# Altium PCB CATS-Vega.PcbDoc (part 2 of 2)
Units mm, origin at the board's own origin, x right, y up, seen from the top; angles counter-clockwise.
Board outline 100 x 33 mm, 6 copper layers (Top Layer, Mid Layer 1 (GND), Mid Layer 2 (Sig), Mid Layer 3 (PWR), Mid Layer 4 (GND), Bottom Layer), stack 1.538 mm thick; 177 components, 115 nets, 630 pads, 374 vias.
Unrouted connection lines stored in the file: 41.
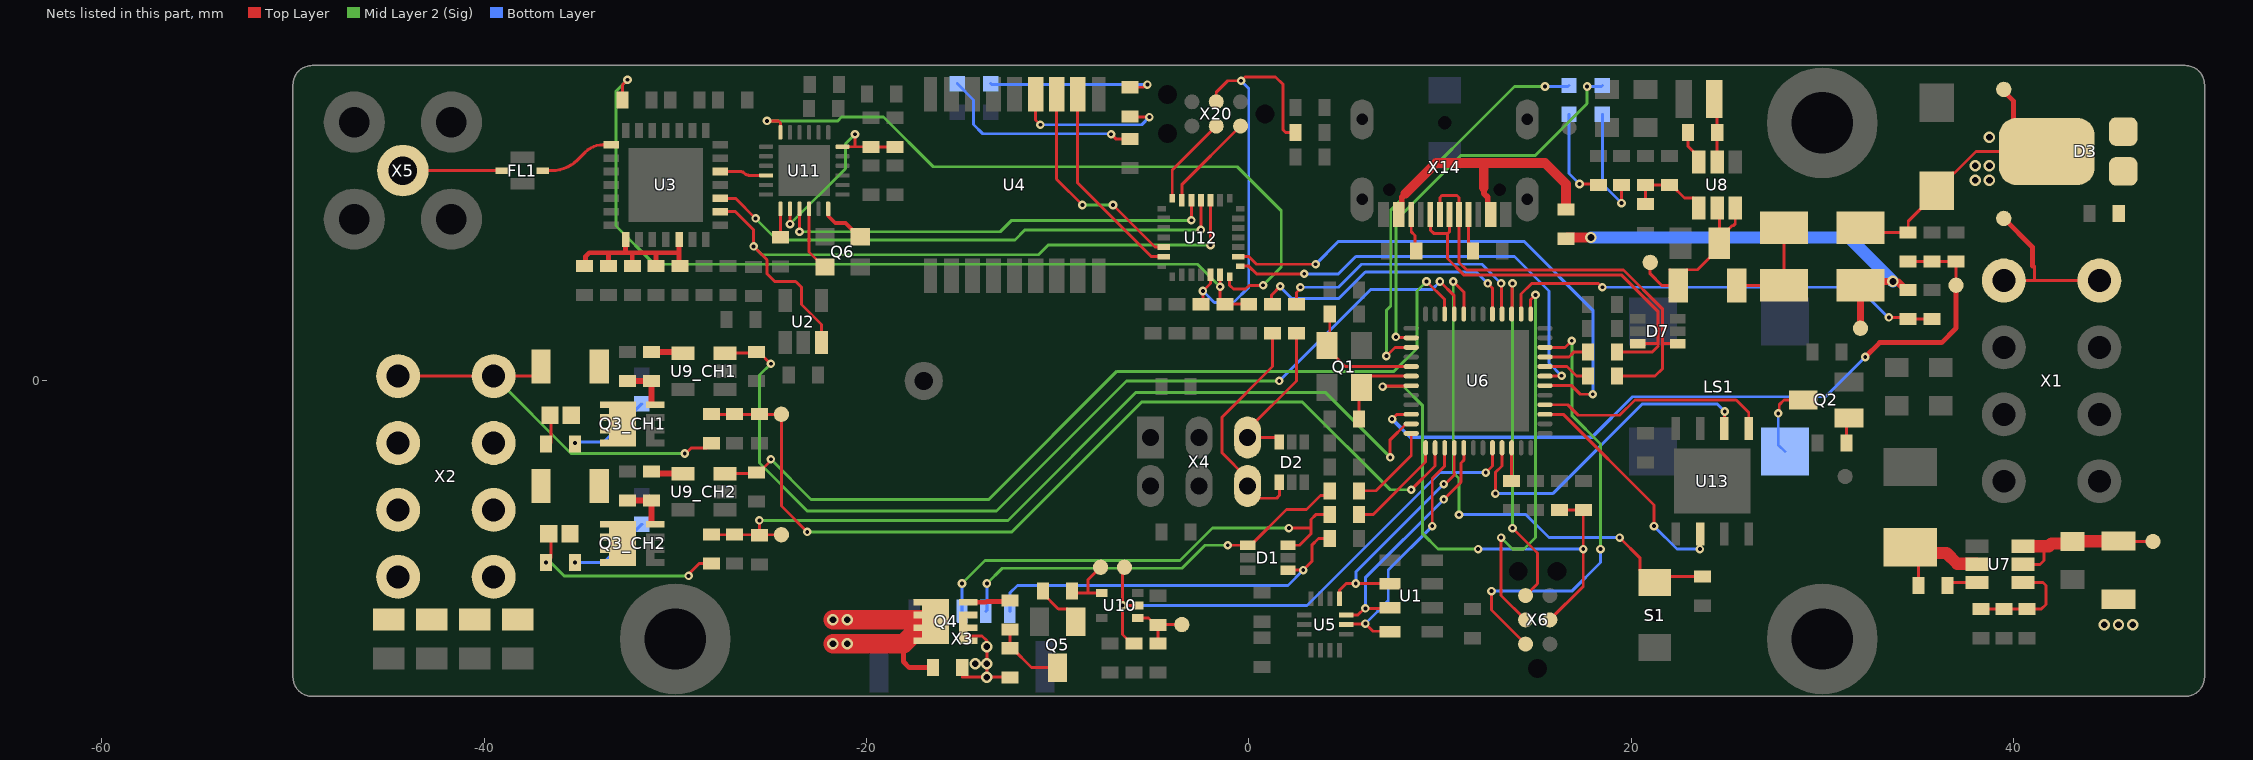
[diagram p6: the nets of this part, all layers, seen from the top]

## Via types
v1: diameter 0.45, hole 0.2, Top Layer to Bottom Layer, tented both sides, 333 vias
v2: diameter 0.6, hole 0.35, Top Layer to Bottom Layer, tented both sides, 41 vias

## Nets (pads, with @x,y where several pads share a name; then routed paths per layer and width w, separated by ;. In a path a pad name is that pad's centre, name@x,y a point inside that pad or via, vN(x,y) a via of type N, cw(c..) or ccw(c..) an arc to the next point about the centre after c; other vN are vias at no path point) (continued)
NetC7_2: C7.2 C8.2 C9.2 C10.2 FB1.1 U3.22 U3.26 | length 9.8
  Top Layer w0.254: FB1.1@-34.75,6.012 -34.7,6.062 -34.7,6.5 -34.5,6.7 -33.55,6.7 ; C10.2@-33.5,6.012 -33.5,6.65 -33.55,6.7 ; U3.22@-32.6,7.45 -32.6,6.7 ; C7.2@-32.25,6.012 -32.25,6.65 -32.3,6.7 ; C8.2@-31,6.012 -31,6.65 -31.05,6.7 ; U3.26@-29.8,7.45 -29.8,6.7 ; C9.2@-29.75,6.012 -29.8,6.062 -29.8,6.7 ; -33.55,6.7 -32.6,6.7 ; -32.6,6.7 -32.3,6.7 ; -32.3,6.7 -31.05,6.7 ; -31.05,6.7 -29.8,6.7
NetC25_2: C25.2 Q1.1 U6.5 | length 6.7
  Top Layer w0.152: C25.2@4.238,3.5 4.238,1.838 4.1,1.7 5.05,0.75 U6.5@8.5,0.75
NetC26_2: C26.2 Q1.2 U6.6 | length 4.6
  Top Layer w0.152: C26.2@5.762,-2 5.762,-0.488 Q1.2@5.9,-0.35 5.9,-0.224 6.374,0.25 U6.6@8.5,0.25
NetC28_2: C28.2 U6.22 | length 1.7
  Top Layer w0.152: C28.2@13.75,-5.238 U6.22@13.75,-3.5
NetC30_2: C30.2 D3.A X1.4 X7.1 | length 9.1
  Top Layer w0.152: X7.1@39.25,8.5 X7.1@39.5,8.5 ; X1.4@39.5,5.25 41.05,5.25 ; 41.1,6 41.1,5.3 41.05,5.25 ; X1.4@44.5,5.25 41.05,5.25
  Top Layer w0.254: X7.1@39.5,8.5 41,7 41,6
NetC31_1: C31.1 U7.6 | length 1.6
  Top Layer w0.152: C31.1@36.562,-10.7 36.712,-10.55 U7.6@38.1,-10.55
NetC31_2: C31.2 L1.1 U7.5 | length 5.8
  Top Layer w0.152: L1.1@34.6,-8.7 34.9,-9 35.038,-9.138 C31.2@35.038,-10.7 ; U7.5@37.95,-9.75 U7.5@38.1,-9.6
  Top Layer w0.635: L1.1@34.9,-9 36.5,-9 37.068,-9.567 38.067,-9.567 U7.5@38.1,-9.6
NetC32_1: C32.1 R17.1 R19.2 U7.1 | length 5.8
  Top Layer w0.152: R17.1@38.3,-11.938 C32.1@39.5,-11.938 R19.2@40.7,-11.938 41.462,-11.938 41.7,-11.7 41.7,-10.7 41.55,-10.55 U7.1@40.5,-10.55
NetC33_2: C33.2 F1.1 U7.2 U7.3 X9.1 | length 8.9
  Top Layer w0.152: U7.2@40.5,-9.6 41.4,-9.6 41.6,-9.4 41.6,-8.7 41.65,-8.65 ; F1.1@45.5,-8.376 45.524,-8.4 X9.1@47.3,-8.4
  Top Layer w0.635: U7.3@40.5,-8.65 41.65,-8.65 41.85,-8.65 42,-8.5 43,-8.5 C33.2@43.1,-8.4 43.112,-8.388 45.488,-8.388 F1.1@45.5,-8.376
NetC37_1: C37.1 U8.6 | length 1.8
  Top Layer w0.152: C37.1@22.988,13 22.988,12.262 23.55,11.7 U8.6@23.55,11.45
NetC37_2: C37.2 L2.1 U8.5 | length 3.4
  Top Layer w0.152: L2.1@24.35,14.75 24.5,14.6 U8.5@24.5,11.45
NetC38_1: C38.1 R20.1 R21.2 U8.1 | length 4.4
  Top Layer w0.152: R21.2@20.75,9.262 C38.1@20.75,10.238 R20.1@22,10.238 22.127,10.238 22.791,9.574 23.276,9.574 23.55,9.3 U8.1@23.55,9.05
NetC39_2: C39.2 F2.1 U8.2 U8.3 X12.1 | length 10.4
  Top Layer w0.152: X12.1@21.115,6.2 X12.1@21,6.2 21,5.6 21.6,5 F2.1@22.476,5 F2.1@22.476,5.381 ; F2.1@22.044,5.813 F2.1@22.476,5.381 ; U8.2@24.5,9.05 24.616,8.934 C39.2@24.616,7.454 ; U8.3@25.45,9.05 25.45,8.221 25.342,8.114 25.276,8.114 C39.2@24.616,7.454 ; F2.1@22.476,5.381 22.908,5.813 23.483,5.813 24.616,6.946 C39.2@24.616,7.2 C39.2@24.616,7.454
NetC46_2: C46.2 R37.1 U10.1 X19.1 | length 3.4
  Top Layer w0.152: U10.1@-5.8,-12.4 -5.239,-12.4 -4.75,-12.889 R37.1@-4.75,-13.738 ; C46.2@-4.75,-12.762 -4.738,-12.75 X19.1@-3.5,-12.75
NetC49_2: C49.2 C50.2 U11.2 U11.12 | length 10.3
  Top Layer w0.152: v1(-24,8.2) U11.2@-24,9 ; U11.12@-21.25,12.25 -19.762,12.25 C49.2@-19.75,12.238 C50.2@-18.5,12.238 ; -20.6,12.3 v1(-20.6,12.9)
  Mid Layer 2 (Sig) w0.152: v1(-24,8.2) -21.1,11.1 -21.1,12.4 v1(-20.6,12.9)
NetC51_2: C51.2 U11.1 | length 1.5
  Top Layer w0.152: C51.2@-24.5,7.512 U11.1@-24.5,9
NetC54_2: C54.2 R41.1 U12.5 X20.3 | length 23.3
  Top Layer w0.152: R41.1@-2.5,4.012 -2.4,4.112 v1(-2.4,4.7) -2,5.1 U12.5@-2,5.55 U12.5@-2,5.6 ; X20.3@-1.7,14.6 -1.7,15.1 -1.1,15.7 v1(-0.4,15.7) -0.201,15.899 1.401,15.899 1.8,15.5 1.8,13.119 1.919,13 C54.2@2.438,13
  Bottom Layer w0.152: v1(-2.4,4.7) -1.8,4.1 -0.8,4.1 0,4.9 0,15.3 v1(-0.4,15.7)
NetD1_1: D1.1 R1.2 X3.1 | length 20.2
  Top Layer w0.152: D1.1@2.05,-9.9 v1(2.85,-9.9) 3.3,-9.45 3.3,-8.6 3.65,-8.25 R1.2@4.238,-8.25
  Bottom Layer w0.152: X3.1@-12.5,-12.05 -12.5,-11.1 -12.1,-10.7 2.05,-10.7 v1(2.85,-9.9)
NetD1_3: D1.3 R3.2 X3.3 | length 24.2
  Top Layer w0.152: D1.3@2.05,-8.6 2.65,-8.6 3.25,-8 3.25,-7.625 ; v1(2.1,-7.7) 3.175,-7.7 3.25,-7.625 ; R3.2@4.238,-7 3.5,-7 3.25,-7.25 3.25,-7.625
  Mid Layer 2 (Sig) w0.152: v1(-15,-10.6) -13.8,-9.4 -3.6,-9.4 -1.9,-7.7 v1(2.1,-7.7)
  Bottom Layer w0.152: X3.3@-15,-12.05 v1(-15,-10.6)
NetD1_4: D1.4 R2.2 X3.2 | length 21.4
  Top Layer w0.152: v1(-1.1,-8.6) D1.4@-0.05,-8.6 0.1,-8.6 1.975,-6.725 3.025,-6.725 3.75,-6 3.997,-6 4.238,-5.759 R2.2@4.238,-5.75
  Mid Layer 2 (Sig) w0.152: v1(-13.7,-10.6) -12.9,-9.8 -3.49,-9.8 -2.29,-8.6 v1(-1.1,-8.6)
  Bottom Layer w0.152: X3.2@-13.75,-12.05 -13.7,-12 v1(-13.7,-10.6)
NetD2_3: D2.3 R4.2 X4.5 | length 8.3
  Top Layer w0.152: D2.3@1.6,-3.2 1.6,-3.134 1.426,-2.96 X4.5@-0.06,-2.96 -0.06,-2.56 2.5,0 R4.2@2.5,2.488
NetD2_4: D2.4 R5.2 X4.6 | length 12.4
  Top Layer w0.152: R5.2@1.25,2.488 1.25,0.75 -1.4,-1.9 -1.4,-3.76 -0.06,-5.1 X4.6@-0.06,-5.5 -0.06,-5.562 0.516,-6.139 1.461,-6.139 1.6,-6 D2.4@1.6,-5.3
NetD5_K: D5.K D6.K F2.2 | length 5.5
  Top Layer w0.152: F2.2@25.524,5 D5.K@28,5 D6.K@28,8
NetD7_3: D7.3 R22.1 X14.A6 X14.B6 | length 21.6
  Top Layer w0.152: X14.B6@9.5,8.825 X14.B6@9.5,8.7 9.5,7.9 9.7,7.7 10.4,7.7 ; X14.A6@10.5,8.75 X14.A6@10.5,8.7 10.5,7.8 10.4,7.7 ; R22.1@19.262,1.5 21.1,1.5 21.4,1.8 21.4,1.95 ; D7.3@20.35,1.95 21.4,1.95 ; 10.4,7.7 10.4,6.4 11.272,5.528 19.513,5.528 21.4,3.641 21.4,1.95
NetD7_4: D7.4 R23.1 X14.A7 X14.B7 | length 23.4
  Top Layer w0.152: X14.A7@10,8.825 10,9.6 10.1,9.7 10.9,9.7 11,9.6 X14.B7@11,8.7 11,6.2 11.4,5.8 19.6,5.8 21.654,3.746 21.654,0.654 21.25,0.25 R23.1@19.262,0.25 ; 21.675,1.95 D7.4@22.45,1.95
NetF3_CH1_2: F3_CH1.2 JP1_CH1.2 Q3_CH1.D
NetF3_CH2_2: F3_CH2.2 JP1_CH2.2 Q3_CH2.D
NetFB2_2: FB2.2 X14.A4B9 X14.B4A9 | length 14.7
  Top Layer w0.305: X14.B4A9@7.85,8.825 8,8.975 8,9.606 8.2,9.806 ; 12.3,10.1 12.3,9.806 12.502,9.604 12.502,8.973 X14.A4B9@12.65,8.825
  Top Layer w0.508: 8.2,9.806 9.794,11.4 12.3,11.4 ; 12.3,10.1 12.3,11.4 ; FB2.2@16.6,8.962 16.6,10.3 15.5,11.4 12.3,11.4
NetFL1_1: FL1.1 U3.15 | length 4.1
  Top Layer w0.162: FL1.1@-36.975,11 -36.453,11 ccw(c-36.453,12.878) -35.125,11.55 -34.716,11.959 cw(c-33.772,11.016) -33.772,12.35 U3.15@-33.3,12.35
NetFL1_3: FL1.3 X5.1 | length 5.2
  Top Layer w0.162: X5.1@-44.25,11 FL1.3@-39.025,11
NetLS1_2: LS1.2 Q2.C | length 4
  Top Layer w0.152: v1(27.7,-1.7) 27.754,-1.646 27.754,-1.246 28,-1 Q2.C@28.999,-1
  Bottom Layer w0.152: v1(27.7,-1.7) 27.7,-3.35 LS1.2@28.05,-3.7
NetP1_A: P1.A R10.1 | length 9.2
  Top Layer w0.152: R10.1@-6.2,15.362 -5.519,15.362 -5.381,15.5 v1(-5.3,15.5)
  Bottom Layer w0.152: P1.A@-13.5,15.55 -13.45,15.5 v1(-5.3,15.5)
NetP2_A: P2.A R11.1 | length 4.9
  Top Layer w0.152: v1(17.3,10.3) 18.238,10.3 R11.1@18.3,10.238
  Bottom Layer w0.152: P2.A@16.75,13.95 16.75,10.85 v1(17.3,10.3)
NetP2_K: P2.K U6.3 | length 21.2
  Top Layer w0.152: v1(7.2,1.3) 7.65,1.75 U6.3@8.5,1.75
  Mid Layer 2 (Sig) w0.152: v1(7.2,1.3) 7.2,3.694 7.428,3.923 7.428,8.928 13.9,15.4 v1(15.5,15.4)
  Bottom Layer w0.152: v1(15.5,15.4) 16.7,15.4 P2.K@16.75,15.45
NetP3_A: P3.A R12.1 | length 6
  Top Layer w0.152: v1(19.5,9.3) R12.1@19.5,10.238
  Bottom Layer w0.152: P3.A@18.5,13.95 18.5,10.3 v1(19.5,9.3)
NetP3_K: P3.K U6.2 | length 21.2
  Top Layer w0.152: v1(7.7,2.3) 7.731,2.269 8.481,2.269 U6.2@8.5,2.25
  Mid Layer 2 (Sig) w0.152: v1(7.7,2.3) 7.7,8.4 11.1,11.8 15,11.8 17.7,14.5 v1(17.7,15.4)
  Bottom Layer w0.152: v1(17.7,15.4) 18.45,15.4 P3.K@18.5,15.45
NetP4_CH1_A: P4_CH1.A R28_CH1.1 | length 4.2
  Top Layer w0.152: R28_CH1.1@-35.25,-3.312 R28_CH1.1@-35.238,-3.3 -35.238,-3.262 v1(-35.25,-3.25)
  Bottom Layer w0.152: -35,-3.2 -33.75,-3.2 P4_CH1.A@-31.75,-1.2
NetP4_CH2_A: P4_CH2.A R28_CH2.1 | length 4.3
  Top Layer w0.152: v1(-35.238,-9.5) -35.012,-9.5 R28_CH2.1@-35,-9.488
  Bottom Layer w0.152: -34.988,-9.5 -33.75,-9.5 P4_CH2.A@-31.75,-7.5
NetP5_A: P5.A R40.1 | length 11
  Top Layer w0.152: v1(-7.2,12.9) -6.962,12.662 R40.1@-6.2,12.662
  Bottom Layer w0.152: P5.A@-15.25,15.55 -14.4,14.7 -14.4,13.411 -13.917,12.928 -7.228,12.928 v1(-7.2,12.9)
NetQ2_B: Q2.B R15.1 | length 1.4
  Top Layer w0.152: R15.1@31.274,-3.25 31.274,-2.075 Q2.B@31.399,-1.95
NetQ3_CH1_G: Q3_CH1.G R30_CH1.1 R31_CH1.2 | length 2.6
  Top Layer w0.203: Q3_CH1.G@-31.25,-1.171 -31.177,-1.245 Q3_CH1.G@-31.125,-1.245
  Top Layer w0.305: R31_CH1.2@-32.5,-0.012 R30_CH1.1@-31.25,-0.012 Q3_CH1.G@-31.25,-1.171
NetQ3_CH2_G: Q3_CH2.G R30_CH2.1 R31_CH2.2 | length 2.6
  Top Layer w0.203: Q3_CH2.G@-31.25,-7.421 -31.177,-7.495 Q3_CH2.G@-31.125,-7.495
  Top Layer w0.305: R31_CH2.2@-32.5,-6.262 R30_CH2.1@-31.25,-6.262 Q3_CH2.G@-31.25,-7.421
NetQ4_G: Q4.G R36.2 | length 2.3
  Top Layer w0.152: R36.2@-12.627,-11.488 R36.2@-12.5,-11.488
  Top Layer w0.254: Q4.G@-14.75,-11.58 -13.734,-11.58 -13.688,-11.534 -12.673,-11.534 R36.2@-12.627,-11.488
NetQ5_B: Q5.B R38.1 | length 2.6
  Top Layer w0.152: R38.1@-10.762,-11 -10.762,-11.127 -9.962,-11.927 -9.474,-11.927 -9.05,-12.351 Q5.B@-9.05,-12.601
NetQ5_C: Q5.C R35.1 R36.1 | length 3.9
  Top Layer w0.152: R36.1@-12.5,-13.012 R35.1@-12.5,-13.988 -12.373,-13.988 -11.36,-15.001 Q5.C@-10,-15.001
NetQ6_1: Q6.1 U11.4 | length 3.4
  Top Layer w0.152: U11.4@-23,9 -23,6.737 -22.225,5.963 Q6.1@-22.175,5.963
NetQ6_2: Q6.2 U11.6 | length 2.5
  Top Layer w0.152: Q6.2@-20.619,7.781 -20.375,7.538 Q6.2@-20.325,7.538
  Top Layer w0.203: U11.6@-22,9 -21.997,8.997 -21.997,8.619 -21.63,8.252 -21.09,8.252 Q6.2@-20.619,7.781
NetR10_2: R10.2 U4.4 | length 8.6
  Top Layer w0.152: U4.4@-11.15,15 -11.15,13.65 v1(-10.9,13.4) ; R10.2@-6.2,13.838 -6.162,13.8 v1(-5.2,13.8)
  Bottom Layer w0.152: v1(-10.9,13.4) -5.6,13.4 v1(-5.2,13.8)
NetR14_2: R14.2 S1.2 U6.44 | length 29
  Top Layer w0.152: v1(10.7,5.2) 11.25,4.65 U6.44@11.25,3.5 ; v1(19.4,-8.2) 20.476,-9.276 20.476,-9.926 21.1,-10.55 S1.2@21.25,-10.55 21.562,-10.238 R14.2@23.75,-10.238
  Mid Layer 2 (Sig) w0.152: v1(10.7,5.2) 10.7,-4.8 11,-5.1 v1(11,-7)
  Bottom Layer w0.152: v1(11,-7) 14.5,-7 15.7,-8.2 v1(19.4,-8.2)
NetR25_2: R25.2 X14.B5 | length 1.9
  Top Layer w0.152: X14.B5@8.5,8.825 8.5,7.8 8.7,7.6 8.7,7.062 R25.2@8.762,7
NetR26_2: R26.2 X14.A5 | length 1.9
  Top Layer w0.152: X14.A5@11.5,8.825 11.5,7.238 R26.2@11.738,7
NetR30_CH1_2: R30_CH1.2 U9_CH1.4 | length 1.7
  Top Layer w0.152: U9_CH1.4@-29.662,1.512 U9_CH1.4@-29.6,1.45
  Top Layer w0.305: R30_CH1.2@-31.25,1.512 U9_CH1.4@-29.662,1.512
NetR30_CH2_2: R30_CH2.2 U9_CH2.4 | length 1.7
  Top Layer w0.152: R30_CH2.2@-31.25,-4.738 R30_CH2.2@-31.138,-4.85
  Top Layer w0.305: R30_CH2.2@-31.138,-4.85 U9_CH2.4@-29.6,-4.85
NetR38_2: R38.2 U10.4 X18.1 | length 3.2
  Top Layer w0.152: R38.2@-9.238,-11 -9.138,-11.1 -8.419,-11.1 ; X18.1@-7.75,-9.75 -8.419,-10.419 -8.419,-11.1 ; U10.4@-7.7,-11.1 -8.419,-11.1
NetU3_5: U3.5 U11.22 | length 2.5
  Top Layer w0.162: U3.5@-27.7,10.95 -26.581,10.95 cw(c-26.581,10.694) -26.4,10.875 ccw(c-26.098,11.177) -26.098,10.75 U11.22@-25.25,10.75
NetU12_20: U12.20 X20.2 | length 5.2
  Top Layer w0.152: U12.20@-3.5,9.4 -3.5,10.26 X20.2@-0.43,13.33
NetU12_21: U12.21 X20.4 | length 4.8
  Top Layer w0.152: U12.21@-4,9.5 -4,11.03 X20.4@-1.7,13.33
NRST: U11.3 U12.19 | length 22.9
  Top Layer w0.152: v1(-23.5,7.8) U11.3@-23.5,9 ; v1(-3,8.4) U12.19@-3,9.4
  Mid Layer 2 (Sig) w0.152: v1(-23.5,7.8) -13,7.8 -12.4,8.4 v1(-3,8.4)
PH1: C42_CH1.2 C42_CH2.2 C43_CH1.2 C43_CH2.2 Q4.D R34.1 X2.2 X2.4 | length 13.7
  Top Layer w0.254: -18.06,-13.75 -18.06,-14.69 -17.75,-15 R34.1@-16.512,-15
  Top Layer w1.016: v2(-21.75,-13.75) v2(-21,-13.75) -18.06,-13.75 Q4.D@-16.975,-12.665 ; v2(-21.75,-12.5) v2(-21,-12.5) -16.517,-12.5 -16.25,-12.767 Q4.D@-16.25,-13
PL1: F3_CH1.1 JP1_CH1.1 R28_CH1.2 R29_CH1.2 X2.1 | length 22
  Top Layer w0.152: X2.1@-44.5,0.25 X2.1@-39.5,0.25 F3_CH1.1@-37.38,0.25 ; R28_CH1.2@-36.512,-3.25 -36.512,-1.953 JP1_CH1.1@-36.309,-1.75 ; v1(-29.5,-3.8) -29.452,-3.8 -29.155,-3.503 -28.341,-3.503 R29_CH1.2@-28.1,-3.262
  Mid Layer 2 (Sig) w0.152: X2.1@-39.5,0.25 -35.45,-3.8 v1(-29.5,-3.8)
PL2: F3_CH2.1 JP1_CH2.1 R28_CH2.2 R29_CH2.2 X2.3 | length 11.4
  Top Layer w0.152: R28_CH2.2@-36.5,-9.262 JP1_CH2.1@-36.5,-8.441 ; v1(-29.3,-10.2) -29.243,-10.143 -29.243,-10.043 -28.762,-9.562 R29_CH2.2@-28.1,-9.562
  Mid Layer 2 (Sig) w0.152: X2.3@-39.5,-6.05 -39.5,-6.169 X2.3@-38.508,-7.161 ; -36.512,-9.5 -35.812,-10.2 v1(-29.3,-10.2)
  other v1: -36.762,-9.5
PYRO1: R32_CH1.2 U6.45 U9_CH1.3 | length 51.7
  Top Layer w0.152: U9_CH1.3@-27.4,1.45 -25.812,1.45 R32_CH1.2@-25.75,1.512 -25.623,1.512 -25.011,0.9 v1(-25,0.9) ; v1(10,5.2) 10.75,4.45 U6.45@10.75,3.5
  Mid Layer 2 (Sig) w0.152: v1(-25,0.9) -25.6,0.3 -25.6,-4.3 -23.1,-6.8 -13.2,-6.8 -6.4,0 v1(1.6,0)
  Bottom Layer w0.152: v1(1.6,0) 6.372,4.772 9.572,4.772 v1(10,5.2)
PYRO2: R32_CH2.2 U6.46 U9_CH2.3 | length 46.5
  Top Layer w0.152: U9_CH2.3@-27.4,-4.85 -25.812,-4.85 R32_CH2.2@-25.75,-4.788 -25.623,-4.788 -25,-4.165 v1(-25,-4.1) ; v1(9.3,5.2) 10.25,4.25 U6.46@10.25,3.5
  Mid Layer 2 (Sig) w0.152: v1(-25,-4.1) -22.9,-6.2 -13.6,-6.2 -6.9,0.5 7.6,0.5 8.8,1.7 8.8,4.7 v1(9.3,5.2)
PYRO_EN: R39.2 U6.20 U10.2 X17.1 | length 28.5
  Top Layer w0.152: X17.1@-6.5,-9.75 -6.6,-9.85 v1(-6.6,-11.75) ; R39.2@-6,-13.738 -6.127,-13.738 -6.6,-13.265 v1(-6.6,-11.75) ; U10.2@-5.8,-11.75 v1(-6.6,-11.75) ; v1(12.4,-4.8) 12.75,-4.45 U6.20@12.75,-3.5
  Bottom Layer w0.152: v1@-6.6,-11.8 v1(-6.6,-11.75) 3.05,-11.75 10,-4.8 v1(12.4,-4.8)
RST: C27.2 R13.1 U6.7 X6.3 | length 27.2
  Top Layer w0.152: v1(7,-0.3) 7.031,-0.269 8.481,-0.269 U6.7@8.5,-0.25 ; X6.3@15.75,-12.5 17.5,-10.75 v1(17.5,-8.8) C27.2@17.5,-6.762 R13.1@16.25,-6.762
  Mid Layer 2 (Sig) w0.152: v1(7,-0.3) 8.1,-0.3 9.1,-1.3 9.1,-8 9.9,-8.8 v1(12,-8.8)
  Bottom Layer w0.152: v1(12,-8.8) v1(17.5,-8.8)
RX1: U4.2 U12.27 | length 10.8
  Top Layer w0.152: U4.2@-8.95,15 -8.95,10.35 -5.1,6.5 U12.27@-4.4,6.5
RX2: U6.30 U12.9 | length 27.8
  Top Layer w0.152: U12.9@-0.6,6.5 0,6.5 0.4,6.1 v1(3.5,6.1) ; U6.30@15.5,-0.25 16.895,-0.25 17.345,-0.7 v1(18,-0.7)
  Bottom Layer w0.152: v1(3.5,6.1) 4.7,7.3 14.4,7.3 18,3.7 v1(18,-0.7)
RX_EN: U3.3 U12.18 | length 27.8
  Top Layer w0.152: U3.3@-27.7,9.55 -26.85,9.55 v1(-25.8,8.5) ; v1(-2.503,7.903) -2.501,7.904 -2.501,9.399 U12.18@-2.5,9.4
  Mid Layer 2 (Sig) w0.152: v1(-25.8,8.5) -24.672,7.372 -12.228,7.372 -11.697,7.903 v1(-2.503,7.903)
SCK1: U11.18 U12.7 | length 37
  Top Layer w0.152: v1(-25.2,13.6) -24.6,13.6 -24.5,13.5 U11.18@-24.5,13 ; U12.7@-1,5.5 -1,5 -0.8,4.8 -0.165,4.8 0.035,5 v1(0.75,5)
  Mid Layer 2 (Sig) w0.152: v1(-25.2,13.6) -21.5,13.6 -21.3,13.8 -19.1,13.8 -16.5,11.2 -0.6,11.2 1.7,8.9 1.7,5.95 v1(0.75,5)
SERVO1: R4.1 U6.40 | length 14
  Top Layer w0.152: R4.1@2.5,4.012 2.5,4.619 2.7,4.819 v1(2.7,4.9) ; v1(13.2,5.1) 13.231,5.069 13.231,3.519 U6.40@13.25,3.5
  Bottom Layer w0.152: v1(2.7,4.9) 4.7,4.9 5.9,6.1 12.2,6.1 v1(13.2,5.1)
SERVO2: R5.1 U6.41 | length 14.7
  Top Layer w0.152: R5.1@1.2,4.062 1.2,4.5 v1(1.65,4.95) ; v1(12.5,5.1) 12.75,4.85 U6.41@12.75,3.5
  Bottom Layer w0.152: v1@1.7,4.9 1.7,4.865 2.265,4.3 4.7,4.3 6.1,5.7 11.9,5.7 v1(12.5,5.1)
SPI1_MISO: U1.6 U5.1 U6.16 | length 12.6
  Top Layer w0.152: U5.1@4.75,-11.488 4.75,-10.95 5.1,-10.6 v1(5.6,-10.6) 7.375,-10.6 U1.6@7.4,-10.625 ; v1(10.2,-5.4) 10.281,-5.4 10.75,-4.931 U6.16@10.75,-3.5
  Bottom Layer w0.152: v1(5.6,-10.6) 5.6,-10 v1(10.2,-5.4)
SPI1_MOSI: U1.7 U5.14 U6.17 | length 13.1
  Top Layer w0.152: U5.14@5.004,-12.25 5.701,-12.25 6.051,-11.9 7.375,-11.9 U1.7@7.4,-11.875 ; v1(10.2,-6.2) 11.1,-5.3 11.1,-4.3 11.25,-4.15 U6.17@11.25,-3.5
  Bottom Layer w0.152: v1(6.1,-11.9) 6.1,-10.3 v1(10.2,-6.2)
SPI1_SCK: U1.8 U5.13 U6.15 | length 13.5
  Top Layer w0.152: U5.13@5.004,-12.75 5.029,-12.725 6.075,-12.725 v1(6.1,-12.7) 6.5,-13.1 7.375,-13.1 U1.8@7.4,-13.125 ; v1(9.6,-7.6) 9.6,-5.1 10.25,-4.45 U6.15@10.25,-3.5
  Bottom Layer w0.152: v1(6.1,-12.7) 6.106,-12.7 7.3,-11.506 7.3,-9.9 v1(9.6,-7.6)
SPI2_MISO: U6.27 U13.2 | length 12.6
  Top Layer w0.152: U6.27@15.5,-1.75 16.456,-1.75 21.2,-6.494 v1(21.2,-7.6) ; v1(23.6,-8.8) 23.607,-8.793 23.607,-7.858 U13.2@23.615,-7.85
  Bottom Layer w0.152: v1(21.2,-7.6) 22.4,-8.8 v1(23.6,-8.8)
SPI2_MOSI: U6.28 U13.5 | length 12.5
  Top Layer w0.152: U6.28@15.5,-1.25 16.685,-1.25 17.235,-1.8 19.4,-1.8 20.2,-1 25.5,-1 26.155,-1.655 U13.5@26.155,-2.65
SPI2_SCK: U6.21 U13.6 | length 17.7
  Top Layer w0.152: v1(12.9,-5.9) 12.9,-4.8 13.25,-4.45 U6.21@13.25,-3.5 ; U13.6@24.885,-2.65 24.893,-2.642 24.893,-1.607 v1(24.9,-1.6)
  Bottom Layer w0.152: v1(12.9,-5.9) 15.9,-5.9 20.6,-1.2 24.5,-1.2 v1(24.9,-1.6)
SWCLK: U6.37 X6.4 | length 20.9
  Top Layer w0.152: v1(13.2,-8.2) 13.2,-11.22 X6.4@14.48,-12.5 ; U6.37@14.75,3.5 14.75,4.25 v1(15,4.5)
  Mid Layer 2 (Sig) w0.152: v1(13.2,-8.2) 13.8,-8.8 14.4,-8.8 15,-8.2 v1(15,4.5)
SWDIO: U6.34 X6.2 | length 23.6
  Top Layer w0.152: v1(12.7,-11) 12.7,-11.99 X6.2@14.48,-13.77 ; U6.34@15.5,1.75 16.55,1.75 v1(16.9,2.1)
  Mid Layer 2 (Sig) w0.152: v1(16.9,2.1) 16.9,-1.8 18.4,-3.3 v1(18.4,-8.8)
  Bottom Layer w0.152: v1(12.7,-11) 16.9,-11 18.4,-9.5 v1(18.4,-8.8)
SWO: U6.39 X6.6 | length 18.7
  Top Layer w0.152: U6.39@13.75,3.5 13.769,3.519 13.769,5.069 v1(13.8,5.1) ; v1(13.8,-7.7) 15.1,-9 15.1,-10.61 X6.6@14.48,-11.23
  Mid Layer 2 (Sig) w0.152: v1(13.8,-7.7) v1(13.8,5.1)
TEMP: C6.2 R6.1 R8.1 U12.6 | length 44.9
  Top Layer w0.152: R8.1@-32.762,14.7 -32.762,15.488 v1(-32.5,15.75) ; U12.6@-1.5,5.6 U12.6@-1.5,5.55 v1(-1.5,4.927) -1.5,4.253 -1.259,4.012 C6.2@-1.25,4.012 R6.1@0,4.012
  Mid Layer 2 (Sig) w0.152: v1(-32.5,15.75) -33.1,15.15 -33.1,8.1 -31.1,6.1 -2.673,6.1 v1(-1.5,4.927)
TX1: U4.3 U12.26 | length 11.6
  Top Layer w0.152: U4.3@-10.05,15 -10.05,10.55 v1(-8.7,9.2) ; v1(-7.1,9.2) -4.904,7.004 -4.404,7.004 U12.26@-4.4,7
  Mid Layer 2 (Sig) w0.152: v1(-8.7,9.2) v1(-7.1,9.2)
TX2: U6.31 U12.8 | length 23.1
  Top Layer w0.152: U12.8@-0.5,6 0,6 0.4,5.6 v1(2.9,5.6) ; U6.31@15.5,0.25 15.509,0.259 16.359,0.259 v1(16.369,0.269)
  Bottom Layer w0.152: v1(2.9,5.6) 4.7,5.6 5.6,6.5 13.9,6.5 15.7,4.7 15.7,0.937 v1(16.369,0.269)
TX_EN: U2.3 U3.2 U12.17 | length 36.8
  Top Layer w0.152: U3.2@-27.7,8.85 -26.85,8.85 -25.9,7.9 v1(-25.9,7.033) -25.2,6.333 -25.2,5.6 -24.8,5.2 -23.7,5.2 -23.4,4.9 -23.4,4 -22.35,2.95 U2.3@-22.35,2 ; v1(-2,7.1) U12.17@-2,9.4
  Mid Layer 2 (Sig) w0.152: v1(-25.9,7.033) -25.467,6.6 -11,6.6 -10.5,7.1 v1(-2,7.1)
UART2_RX: R3.1 U6.13 | length 5.4
  Top Layer w0.152: R3.1@5.762,-7 6.5,-7 9.25,-4.25 U6.13@9.25,-3.5
UART2_TX: R2.1 U6.12 | length 4.7
  Top Layer w0.152: R2.1@5.762,-5.75 6.65,-5.75 8.5,-3.9 U6.12@8.5,-2.75
USB_DET: R24.2 R27.1 U6.38 | length 23.5
  Top Layer w0.152: U6.38@14.25,3.5 14.25,4.55 14.8,5.1 18.3,5.1 v1(18.5,4.9) ; v1(33.489,3.321) 34.417,3.321 R24.2@34.5,3.238 R27.1@35.75,3.238
  Bottom Layer w0.152: v1(18.5,4.9) 31.87,4.9 33.449,3.321 v1(33.489,3.321)
USB_N: R23.2 U6.32 | length 2.4
  Top Layer w0.152: U6.32@15.5,0.75 16.65,0.75 17.15,0.25 R23.2@17.738,0.25
USB_P: R22.2 U6.33 | length 2.3
  Top Layer w0.152: U6.33@15.5,1.25 16.75,1.25 17,1.5 R22.2@17.738,1.5
V_BAT: C36.2 R16.1 R18.2 U6.10 X11.1 | length 39.3
  Top Layer w0.152: v1(7.5,-2) 7.75,-1.75 U6.10@8.5,-1.75 ; R16.1@34.5,6.238 C36.2@35.75,6.238 R18.2@37,6.238 X11.1@37,5
  Top Layer w0.254: v1(32.25,1.25) 33,2 36.25,2 37,2.75 X11.1@37,5
  Bottom Layer w0.152: 18.946,-1.954 20.072,-0.828 30.172,-0.828 v1(32.25,1.25)
  Bottom Layer w0.203: v1(7.5,-2) 8.45,-2.95 17.95,-2.95 18.946,-1.954
V_PYRO1: C44_CH1.2 R29_CH1.1 R33_CH1.2 U6.14 X16_CH1.1 | length 49.4
  Top Layer w0.152: R29_CH1.1@-28.1,-1.738 -28.088,-1.75 X16_CH1.1@-24.45,-1.75 -24.45,-6.55 v1(-23.1,-7.9) ; v1(8.497,-5.697) 8.503,-5.697 9.75,-4.45 U6.14@9.75,-3.5
  Mid Layer 2 (Sig) w0.152: v1(-23.1,-7.9) -12.4,-7.9 -5.6,-1.1 2.8,-1.1 7.397,-5.697 v1(8.497,-5.697)
V_PYRO2: C44_CH2.2 R29_CH2.1 R33_CH2.2 U6.11 X16_CH2.1 | length 44